# Allegro board pc065a_toplevel_61.brd (continued)
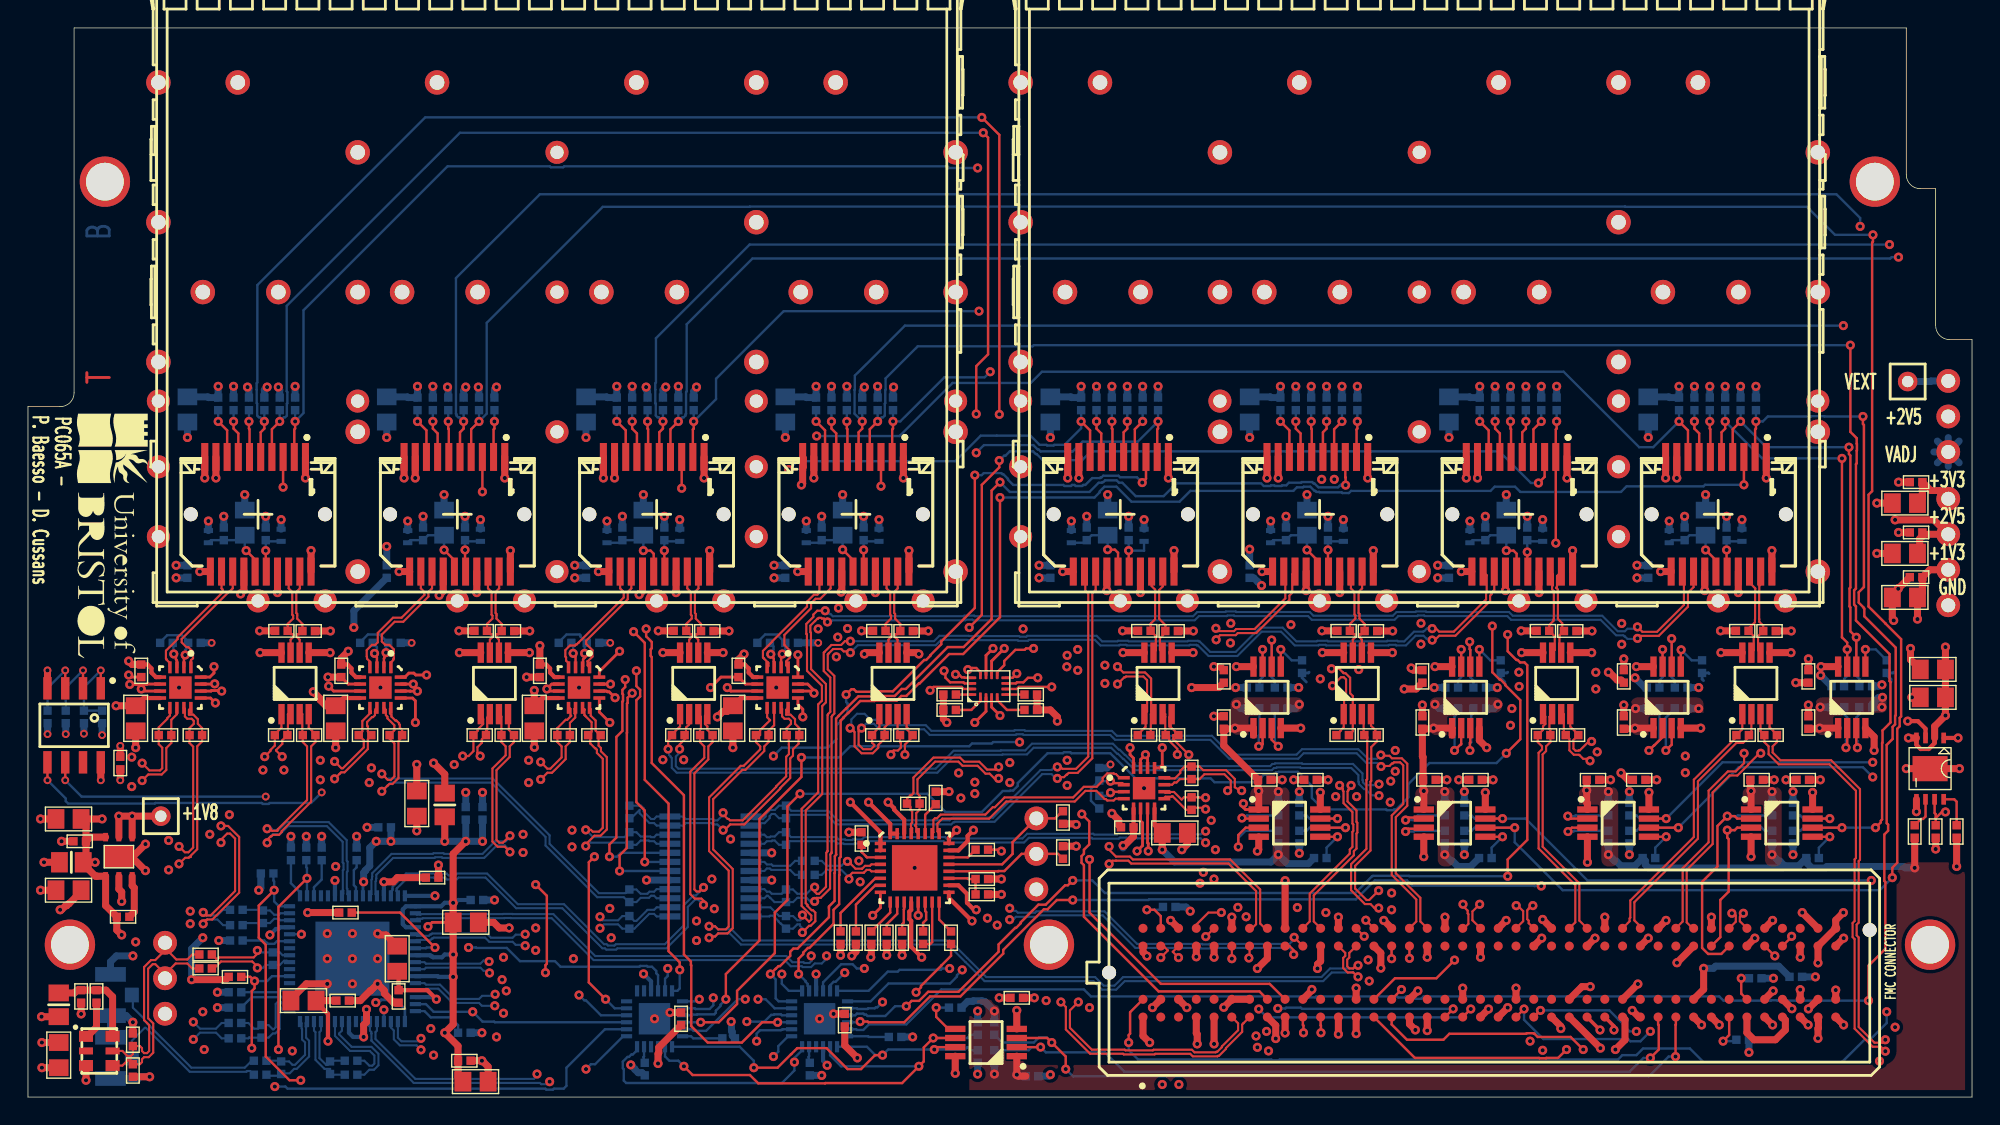
[diagram p0: board, top side]
## Routing (per net, layer and track width the routed paths; a pad name or vN(x,y) marks a point on that pad's centre or on a via; arc(x,y) is an arc through that point) (continued)
SFP_TX_DISABLE<4>: length 65.7
  TOP w0.17: v1(79.67,43.97) 79.94,44.24 J36.3 ; v1(67.7,44.5) 67.7,35 65.3,32.6 65.3,32.4 64.53,31.62 64.53,31.58 64.22,31.27 64.08,31.27 61.84,29.03 60.28,29.03 60.25,29 59.23,29 59.05,29.18 58.88,29.18 v1(58.5,28.8)
  L6_SIG w0.17: v1(52.2,7) 52.2,7.54 52.1,7.64 52.1,10.4 52.33,10.63 52.33,23.43 v1(53.3,24.4)
  BOTTOM w0.17: v1(67.7,44.5) 68.19,44.5 68.34,44.65 69.59,44.65 69.67,44.57 69.74,44.57 70.07,44.24 70.07,44.17 70.44,43.8 74.03,43.8 74.1,43.73 74.58,43.73 74.65,43.8 74.83,43.8 74.9,43.73 75.38,43.73 75.45,43.8 75.6,43.8 76.09,44.29 76.65,44.29 76.69,44.33 76.75,44.33 76.88,44.46 77.97,44.46 78.08,44.35 79.29,44.35 v1(79.67,43.97) ; v1(53.3,24.4) 53.9,25 57.2,25 57.8,25.6 57.8,26.58 58.3,27.08 58.3,27.15 58.6,27.45 58.6,28.16 58.5,28.26 v1(58.5,28.8) ; v1(52.2,7) 52.74,7 53.39,6.35 IC10.5
SFP_TX_DISABLE<5>: length 76.4
  TOP w0.17: v1(69.5,44) 68.9,43.4 68.9,34.2 66.9,32.2 65.77,32.2 62.77,29.2 62.47,29.2 61.97,28.7 60.41,28.7 60.38,28.67 59.37,28.67 58.51,27.81 58.5,27.81 57.97,27.28 57.97,27.27 57.78,27.08 57.78,17.33 57.69,17.24 57.69,16.04 57.67,16.02 57.67,14.04 57.27,13.64 57.27,13.54 57.27,12.87 55.02,10.62 54.73,10.62 54.5,10.4 54.5,10.1 53.77,9.37 53.66,9.37 53.47,9.18 53.46,9.18 v1(53.08,8.8) ; v1(94.21,43.79) 94.21,44.33 94.19,44.35 J32.3
  BOTTOM w0.17: v1(69.5,44) 70.2,43.3 75.9,43.3 76.56,43.96 76.78,43.96 76.83,44 76.89,44 77.02,44.13 77.84,44.13 78.01,43.96 78.24,43.96 79.2,43 81.2,43 82.11,43.91 88.17,43.91 88.35,43.73 88.83,43.73 88.87,43.77 89.11,43.77 89.15,43.73 89.63,43.73 89.67,43.77 89.97,43.77 90.16,43.96 91.03,43.96 91.08,44 91.82,44 91.92,43.91 91.98,43.91 92.26,43.63 93.67,43.63 93.79,43.74 93.82,43.74 93.92,43.84 94.16,43.84 94.21,43.79 v1(94.21,43.79) ; IC10.6 53.67,6.85 53.46,7.06 53.46,8.42 v1(53.08,8.8)
SFP_TX_DISABLE<6>: length 93.9
  TOP w0.17: J28.3 108.44,44.38 v1(108,43.94) ; v1(67.3,33.6) 68.2,34.5 68.2,43.81 69.45,45.05 v1(69.45,45.55)
  L3_SIG w0.17: v1(67.3,33.6) 66.7,34.2 59.27,34.2 v1(58.6,33.52)
  L6_SIG w0.17: v1(53.9,8.8) 53.9,12.6 55.3,14 55.3,20.2 56.3,21.2 56.3,28 56.77,28.47 56.77,32.01 57.12,32.36 57.12,32.38 57.12,32.38 57.12,32.92 57.33,33.12 57.33,33.15 57.66,33.48 57.68,33.48 57.72,33.52 v1(58.6,33.52)
  BOTTOM w0.17: v1(108,43.94) 107.46,43.94 105.2,46.2 76,46.2 75.37,45.57 72.56,45.57 72.12,46.01 72.06,46.01 71.87,46.2 70.2,46.2 69.89,45.89 69.79,45.89 v1(69.45,45.55) ; IC10.7 54.4,7.6 53.9,8.1 v1(53.9,8.8)
SFP_TX_DISABLE<7>: length 101.2
  TOP w0.17: J24.3 v1(122.69,43.81) ; v1(69.5,42.9) 69.5,34.33 66.87,31.7 65.86,31.7 63.76,29.6 63.7,29.6 62.8,28.7 62.44,28.7 62.11,28.37 60.55,28.37 60.52,28.34 59.51,28.34 58.65,27.48 58.63,27.48 58.3,27.15 58.3,27.13 58.11,26.94 58.11,17.19 58.02,17.1 58.02,15.91 58,15.88 58,13.8 57.6,13.4 57.6,12.4 55.87,10.67 55.76,10.67 55.43,10.34 55.43,10.23 55.1,9.9 v1(55.1,8.8)
  BOTTOM w0.17: v1(122.69,43.81) 119.91,43.81 119.8,43.7 114.3,43.7 113.9,43.3 106.7,43.3 106.33,43.67 104.87,43.67 104.57,43.37 94.6,43.37 94.45,43.22 93.98,43.22 93.97,43.23 93.96,43.23 93.92,43.27 92.36,43.27 92.33,43.3 92.13,43.3 92.05,43.37 91.99,43.37 91.69,43.67 91.21,43.67 91.17,43.63 90.73,43.63 90.47,43.37 83.11,43.37 82.34,42.6 78.9,42.6 77.83,43.67 76.96,43.67 76.63,43.34 76.63,43.28 76.25,42.9 v1(69.5,42.9) ; v1(55.1,8.8) 55.6,8.3 55.6,8.25 55.74,8.1 55.74,7.96 55.85,7.85 IC10.8
UNNAMED_1_CAPCERSMDCL2_I17_A: length 4.4
  TOP w0.17: v1(11.24,31.63) 11.15,31.54 IC4.2
  BOTTOM w0.17: v1(11.24,31.63) 11.24,32 11.45,32.2 C113.1 11.45,32.6 11.01,33.05 9.95,33.05 9.45,32.55 R59.1
UNNAMED_1_CAPCERSMDCL2_I17_A_1: length 4.4
  TOP w0.17: IC5.2 25.45,31.39 25.48,31.41 25.48,31.48 25.6,31.6 v1(25.6,31.8)
  BOTTOM w0.17: v1(25.6,31.8) 25.6,32.34 25.75,32.49 C114.1 25.15,33.1 24.3,33.1 23.75,32.55 R63.1
UNNAMED_1_CAPCERSMDCL2_I17_A_2: length 4.5
  TOP w0.17: IC6.2 39.65,30.8 39.69,30.84 39.69,31.32 39.8,31.43 v1(39.8,31.75)
  BOTTOM w0.17: R67.1 37.95,32.55 38.5,33.1 39.45,33.1 39.5,33.05 39.5,32.95 C115.1 39.8,32.35 v1(39.8,31.75)
UNNAMED_1_CAPCERSMDCL2_I17_A_3: length 4.5
  TOP w0.17: v1(53.93,31.7) 53.85,31.62 IC7.2
  BOTTOM w0.17: v1(53.93,31.7) 53.98,31.7 54.15,31.87 C116.1 53.7,32.95 53.7,33.05 53.65,33.1 52.7,33.1 52.15,32.55 R71.1
UNNAMED_1_CAPCERSMDCL2_I17_A_4: length 4.4
  TOP w0.17: IC13.2 78.24,22.46 77.54,22.46 v1(77.4,22.6)
  BOTTOM w0.17: R96.1 76.55,20.65 76,21.2 76,22.05 C117.1 76.65,22.6 v1(77.4,22.6)
UNNAMED_1_CAPCERSMDCL2_I31_B: length 5.7
  TOP w0.17: v1(15.6,39.1) 16.24,38.46 J7.15
  BOTTOM w0.17: v1(15.6,39.1) 15.5,39.2 C34.2 15.15,39.85 C35.2 13.09,39.85 L5.1
UNNAMED_1_CAPCERSMDCL2_I31_B_1: length 5.7
  TOP w0.17: J12.15 30.49,38.41 v1(29.75,39.15)
  BOTTOM w0.17: v1(29.75,39.15) C43.2 28.6,40.2 C44.2 27.34,39.85 L7.1
UNNAMED_1_CAPCERSMDCL2_I31_B_2: length 6
  TOP w0.17: v1(44,39.1) 44.52,39.1 44.74,38.88 J16.15
  BOTTOM w0.17: L9.1 42.31,39.66 C49.2 43.65,39.85 C48.2 v1(44,39.1)
UNNAMED_1_CAPCERSMDCL2_I31_B_3: length 5.7
  TOP w0.17: v1(58.25,39.17) 58.99,38.43 J20.15
  BOTTOM w0.17: L11.1 56.56,39.66 C54.2 57.9,39.85 C53.2 v1(58.25,39.17)
UNNAMED_1_CAPCERSMDCL2_I31_B_4: length 5.7
  TOP w0.17: v1(119.95,39.15) 120.69,38.41 J24.15
  BOTTOM w0.17: v1(119.95,39.15) C62.2 118.8,40.2 C63.2 117.53,39.85 L13.1
UNNAMED_1_CAPCERSMDCL2_I31_B_5: length 6
  TOP w0.17: J28.15 106.44,38.88 106.22,39.1 v1(105.7,39.1)
  BOTTOM w0.17: v1(105.7,39.1) C67.2 104.55,40.2 C68.2 103.28,39.85 L15.1
UNNAMED_1_CAPCERSMDCL2_I31_B_6: length 5.7
  TOP w0.17: J32.15 92.19,38.41 v1(91.45,39.15)
  BOTTOM w0.17: L17.1 89.03,39.85 C73.2 90.3,40.2 C72.2 v1(91.45,39.15)
UNNAMED_1_CAPCERSMDCL2_I31_B_7: length 6
  TOP w0.17: J36.15 77.94,38.95 77.72,39.17 v1(77.2,39.17)
  BOTTOM w0.17: v1(77.2,39.17) C77.2 76.05,40.2 C78.2 75.52,39.66 L19.1
UNNAMED_1_CAPCERSMDCL2_I35_B: length 3.4
  TOP w0.17: v1(17,39.1) 17,37.64 J7.16
  BOTTOM w0.17: 18.1,39.77 17.09,39.77 C33.2 v1(17,39.1)
UNNAMED_1_CAPCERSMDCL2_I35_B_1: length 3.4
  TOP w0.17: v1(31.25,39.15) 31.25,37.64 J12.16
  BOTTOM w0.17: v1(31.25,39.15) C42.2 31.34,39.77 32.35,39.77
UNNAMED_1_CAPCERSMDCL2_I35_B_2: length 3.4
  TOP w0.17: v1(45.5,39.1) 45.5,37.64 J16.16
  BOTTOM w0.17: 46.6,39.77 45.59,39.77 C47.2 v1(45.5,39.1)
UNNAMED_1_CAPCERSMDCL2_I35_B_3: length 3.4
  TOP w0.17: J20.16 59.75,37.64 v1(59.75,39.15)
  BOTTOM w0.17: 60.85,39.77 59.84,39.77 C52.2 v1(59.75,39.15)
UNNAMED_1_CAPCERSMDCL2_I35_B_4: length 3.4
  TOP w0.17: v1(121.45,39.15) 121.45,37.64 J24.16
  BOTTOM w0.17: 122.55,39.77 121.53,39.77 C61.2 v1(121.45,39.15)
UNNAMED_1_CAPCERSMDCL2_I35_B_5: length 3.4
  TOP w0.17: J28.16 107.2,37.64 v1(107.2,39)
  BOTTOM w0.17: 108.3,39.77 107.28,39.77 C66.2 v1(107.2,39)
UNNAMED_1_CAPCERSMDCL2_I35_B_6: length 3.4
  TOP w0.17: v1(92.95,39.15) 92.95,37.64 J32.16
  BOTTOM w0.17: 94.05,39.77 93.03,39.77 C71.2 v1(92.95,39.15)
UNNAMED_1_CAPCERSMDCL2_I35_B_7: length 4.1
  TOP w0.17: J36.16 78.7,37.64 v1(78.7,39.1)
  BOTTOM w0.17: 79.8,39.77 79.8,39.08 79.78,39.1 v1(78.7,39.1) C76.2
UNNAMED_1_CON20PSFP_I19_RATES_1: length 3.5
  TOP w0.17: J12.7 29.29,47.49 28.95,47.83 v1(28.95,48.35)
  BOTTOM w0.17: R41.1 v1(28.95,48.35)
UNNAMED_1_CON20PSFP_I19_RATES_2: length 3.5
  TOP w0.17: J16.7 43.54,47.49 43.2,47.83 v1(43.2,48.35)
  BOTTOM w0.17: R49.1 v1(43.2,48.35)
UNNAMED_1_CON20PSFP_I19_RATES_3: length 3.5
  TOP w0.17: J20.7 57.79,47.49 57.45,47.83 v1(57.45,48.35)
  BOTTOM w0.17: R57.1 v1(57.45,48.35)
UNNAMED_1_CON20PSFP_I19_RATES_4: length 3.5
  TOP w0.17: v1(119.15,48.35) 119.15,47.83 119.49,47.49 J24.7
  BOTTOM w0.17: R106.1 v1(119.15,48.35)
UNNAMED_1_CON20PSFP_I19_RATES_5: length 3.5
  TOP w0.17: v1(104.9,48.35) 104.9,47.83 105.24,47.49 J28.7
  BOTTOM w0.17: R114.1 v1(104.9,48.35)
UNNAMED_1_CON20PSFP_I19_RATES_6: length 3.5
  TOP w0.17: J32.7 90.99,47.49 90.65,47.83 v1(90.65,48.35)
  BOTTOM w0.17: R122.1 v1(90.65,48.35)
UNNAMED_1_CON20PSFP_I19_RATES_7: length 3.5
  TOP w0.17: v1(76.4,48.35) 76.4,47.83 76.74,47.49 J36.7
  BOTTOM w0.17: R130.1 v1(76.4,48.35)
UNNAMED_1_CON20PSFP_I19_RATESEL: length 3.5
  TOP w0.17: J7.7 15.04,47.49 14.7,47.83 v1(14.7,48.35)
  BOTTOM w0.17: R29.1 v1(14.7,48.35)
UNNAMED_1_RSMD0402_I7_B: length 3.3
  TOP w0.17: IC11.5 65.8,4.88 64.94,5.74 v1(64.94,6.4)
  BOTTOM w0.17: R133.2 v1(64.94,6.4)
UNNAMED_1_RSMD0402_I7_B_1: length 3.1
  TOP w0.17: IC12.5 v1(93.63,18.62)
  BOTTOM w0.17: v1(93.63,18.62) 92.85,17.85 R138.2
UNNAMED_1_RSMD0402_I7_B_2: length 3.1
  TOP w0.17: IC14.5 v1(105.43,18.62)
  BOTTOM w0.17: R143.2 104.65,17.85 v1(105.43,18.62)
UNNAMED_1_RSMD0402_I7_B_3: length 3.1
  TOP w0.17: IC15.5 v1(117.13,18.62)
  BOTTOM w0.17: R148.2 116.35,17.85 v1(117.13,18.62)
UNNAMED_1_RSMD0402_I7_B_4: length 3.1
  TOP w0.17: IC16.5 v1(128.83,18.62)
  BOTTOM w0.17: R153.2 128.05,17.85 v1(128.83,18.62)
UNNAMED_1_RSMD0402_I7_B_5: length 3.1
  TOP w0.17: 89.58,30.8 v1(89.58,32.03)
  BOTTOM w0.17: v1(89.58,32.03) 90.35,31.25 R158.2
UNNAMED_1_RSMD0402_I7_B_6: length 3.1
  TOP w0.17: 103.78,30.8 v1(103.78,32.03)
  BOTTOM w0.17: v1(103.78,32.03) 104.55,31.25 R163.2
UNNAMED_1_RSMD0402_I7_B_7: length 3
  TOP w0.17: v1(118.2,32) 118.17,31.98 IC19.5
  BOTTOM w0.17: v1(118.2,32) 118.95,31.25 R168.2
UNNAMED_1_RSMD0402_I7_B_8: length 3.1
  TOP w0.17: IC20.5 v1(131.38,32.03)
  BOTTOM w0.17: R173.2 132.12,32.03 v1(131.38,32.03)
UNNAMED_1_RSMD0402_I10_B: length 1.9
  TOP w0.17: IC4.3 10.65,31.24 10.58,31.31 10.58,31.45 10.5,31.53 10.5,31.63 v1(10.43,31.71)
  BOTTOM w0.17: v1(10.43,31.71) 10.43,31.77 10.4,31.8 10.4,32.45 R59.2
UNNAMED_1_RSMD0402_I10_B_1: length 2
  TOP w0.17: IC5.3 24.95,31.45 24.8,31.6 24.8,31.73 v1(24.78,31.75)
  BOTTOM w0.17: v1(24.78,31.75) 24.8,31.77 24.8,31.8 24.95,31.95 24.95,32.2 R63.2
UNNAMED_1_RSMD0402_I10_B_2: length 1.9
  TOP w0.17: IC6.3 39.15,31.55 39,31.7 39,31.73 v1(38.98,31.75)
  BOTTOM w0.17: R67.2 38.98,32.37 v1(38.98,31.75)
UNNAMED_1_RSMD0402_I10_B_3: length 2
  TOP w0.17: IC7.3 53.35,31.16 53.33,31.19 53.33,31.38 53.2,31.5 53.2,31.6 v1(53.11,31.69)
  BOTTOM w0.17: R71.2 53.3,32.25 53.3,32 53.2,31.9 53.2,31.78 v1(53.11,31.69)
UNNAMED_1_RSMD0402_I10_B_4: length 1.9
  TOP w0.17: v1(77.4,21.78) 77.46,21.84 78.34,21.84 IC13.3
  BOTTOM w0.17: v1(77.4,21.78) 77.34,21.78 77.11,21.55 R96.2
UNNAMED_4_FMCLPCGENERIC_I1_GA0: length 2.9
  TOP w0.17: 121.64,5.73 121.64,4.44 v1(121.2,4)
  BOTTOM w0.17: R184.2 122.05,4 v1(121.2,4)
UNNAMED_4_FMCLPCGENERIC_I1_GA1: length 2.2
  TOP w0.17: v1(122.5,8.5) 122.5,7.4 122.91,7
  BOTTOM w0.17: R185.2 v1(122.5,8.5)
UNNAMED_5_24AA025E48_I9_A0: length 6
  TOP w0.17: IC1.1 v2(5.21,30.53)
  BOTTOM w0.17: R201.1 R202.1 4,29.33 v2(5.21,30.53)
UNNAMED_5_24AA025E48_I9_A1: length 4.7
  TOP w0.17: 3.94,29.25 v2(3.94,30.53)
  BOTTOM w0.17: R204.1 2.7,29.3 v2(3.94,30.53)
UNNAMED_5_24AA025E48_I9_A2: length 4.7
  TOP w0.17: IC1.3 v2(2.67,30.53)
  BOTTOM w0.17: v2(2.67,30.53) 1.4,29.27 R203.1
UNNAMED_7_CAPCERSMDCL2_I28_B: length 2.7
  TOP w0.17: C101.2 137.9,21.13 137.73,21.3 U11.8
UNNAMED_7_CON3P_I14_A: length 2.9
  BOTTOM w0.5: TP10.1 136.03,51.2 136.07,51.24 J39.1
UNNAMED_7_MP20075REG_I17_REF: length 2.3
  TOP w0.17: U11.6 135.68,20.08 135.5,19.9 135.35,19.9 R183.2
UNNAMED_8_DSC1123CI5_I74_EN: length 2.8
  TOP w0.5: QZ1.1 4.25,4.35 4.9,5 R3.2
UNNAMED_8_LP38692SD_I104_EN: length 3.1
  TOP w0.5: U2.3 7.45,15.12 7.6,14.97 7.6,13.25 R2.2
UNNAMED_8_RSMD0402_I25_B: length 3.8
  BOTTOM w0.17: IC3.3 16,7.15 R20.2
UNNAMED_8_RSMD0402_I26_B: length 3.5
  BOTTOM w0.17: IC3.4 18.09,7.65 17.94,7.5 R21.2
UNNAMED_8_RSMD0402_I28_B: length 4
  BOTTOM w0.17: R18.2 30.75,5.15 30.2,5.7 28.8,5.7 28.35,6.15 IC3.48
UNNAMED_8_RSMD0402_I29_B: length 2.7
  BOTTOM w0.17: R19.2 23.5,16.44 23.3,16.24 23.3,15.16 23.45,15.01 IC3.25
UNNAMED_8_RSMD0402_I30_B: length 8.4
  TOP w0.17: v1(29.1,10.7) 26.6,13.2 R6.2
  BOTTOM w0.17: IC3.39 28.46,10.65 28.51,10.7 v1(29.1,10.7)
UNNAMED_8_RSMD0402_I66_B: length 3.5
  BOTTOM w0.17: R10.2 16.89,11.2 17.06,11.03 17.09,11.03 17.16,10.96 17.61,10.96 17.8,11.15 IC3.11
UNNAMED_8_RSMD0402_I67_B: length 2.8
  BOTTOM w0.17: R11.2 18.8,15.3 19.45,14.65 IC3.17
UNNAMED_8_RSMD0402_I68_B: length 2.8
  BOTTOM w0.17: R12.2 21,15.56 20.45,15.01 IC3.19
UNNAMED_10_ADN2814_I34_CF1: length 3.6
  TOP w0.17: IC9.15 64.65,11.09 64.51,10.95 C58.1
UNNAMED_10_ADN2814_I34_CF2: length 2.2
  TOP w0.17: C58.2 64,12.46 64.22,12.68 64.22,13.24 64.15,13.31 IC9.14
UNNAMED_10_ADN2814_I34_LOL: length 2.5
  TOP w0.17: IC9.16 65.15,12.7 R91.1
UNNAMED_10_ADN2814_I34_LOS: length 2.1
  TOP w0.17: R89.2 67.2,17.15 IC9.22
UNNAMED_10_ADN2814_I34_REFCLKN: length 2.2
  TOP w0.17: R85.2 62.5,12.36 62.62,12.48 62.62,13.43 62.65,13.46 IC9.11
UNNAMED_10_ADN2814_I34_REFCLKP: length 2.4
  TOP w0.17: R84.2 61.4,12.36 62.15,13.11 IC9.10
UNNAMED_10_ADN2814_I34_SADDRS: length 3
  TOP w0.17: IC9.19 67.19,15.65 67.24,15.6 R82.2 R83.2
UNNAMED_10_ADN2814_I34_SLICEN: length 4.2
  TOP w0.17: R87.2 59.2,13.77 60.58,15.15 IC9.7
UNNAMED_10_ADN2814_I34_SLICEP: length 5.2
  TOP w0.17: R86.2 58.1,13.17 60.58,15.65 IC9.6
UNNAMED_10_ADN2814_I34_SQUELCH: length 2.4
  TOP w0.17: R90.1 64.15,20.2 IC9.27
UNNAMED_10_ADN2814_I34_THRADJ: length 2.7
  TOP w0.17: IC9.9 61.65,13.2 R88.2
UNNAMED_10_ADN2814_I34_VREF: length 2
  TOP w0.17: IC9.3 59.99,17.15 59.92,17.21 59.92,17.22 59.62,17.52 59.61,17.52 59.6,17.54 C57.1
UNNAMED_13_74AVC4T245BRIS_I75_1: length 2.4
  TOP w0.17: IC21.4 69.3,28.4 70,27.7 R176.1
UNNAMED_13_74AVC4T245BRIS_I75_2: length 2.3
  TOP w0.17: R177.2 67.45,27.7 68.1,28.35 IC21.1
UNNAMED_13_74AVC4T245BRIS_I76_1: length 1.1
  TOP w0.17: IC21.16 R179.2
UNNAMED_13_74AVC4T245BRIS_I76_2: length 1.3
  TOP w0.17: IC21.5 R178.1
UNNAMED_13_RSMD0402_I6_B: length 3
  BOTTOM w0.17: IC10.18 60.07,4.35 60.12,4.3 R31.2
UNNAMED_13_RSMD0402_I8_B: length 1.2
  BOTTOM w0.17: IC10.23 55.85,2.91 55.8,2.86 R32.2
UNNAMED_13_RSMD0402_I45_B: length 2.9
  BOTTOM w0.17: R180.2 47.56,4.2 47.41,4.35 IC23.18
UNNAMED_13_RSMD0402_I46_B: length 1.2
  BOTTOM w0.17: IC23.23 44.05,2.91 44,2.86 R181.2
VADJ: length 11.8
  TOP w0.5: v1(129.8,13.2) 129.25,12.66 129.25,12.08 J10.G39 v1(127.98,9.6)
  BOTTOM w0.5: 136.52,45.38 J39.3 ; J39.3 138.08,46.94 ; J39.3 137.3,45.13 ; J39.3 138.08,45.38 ; J39.3 136.27,46.16 ; J39.3 137.3,47.19 ; J39.3 136.52,46.94
XA: length 6.3
  TOP w0.15: C29.1 13.3,9.2 13.8,9.7 16.03,9.7 16.4,9.33 v1(16.4,9.24)
  BOTTOM w0.15: IC3.8 18.62,9.65 18.52,9.76 18.31,9.76 18,9.45 R17.1 17,9.45 16.79,9.24 v1(16.4,9.24)
XB: length 6.2
  TOP w0.15: C30.1 13.45,9.9 13.59,9.9 13.68,9.99 16.14,9.99 16.4,10.25 v1(16.4,10.49)
  BOTTOM w0.15: IC3.9 18.2,10.15 18,10.35 R17.2 16.54,10.35 v1(16.4,10.49)

## Copper pours and planes (outline as drawn; the poured copper is in the pictures)
GND on L2_GND, L4_GND: 0.5,0.5 138.5,0.5 138.5,53.7 137.4,53.7 136.34,54.14 135.9,55.2 135.9,64.5 135.3,64.5 134.24,64.94 133.8,66 133.8,76 3.8,76 3.8,50.4 3.36,49.34 2.3,48.9 0.5,48.9
P1V3 on L5_PWR: 0.5,0.5 138.5,0.5 138.5,53.7 137.4,53.7 136.34,54.14 135.9,55.2 135.9,64.5 135.3,64.5 134.24,64.94 133.8,66 133.8,76 3.8,76 3.8,50.4 3.36,49.34 2.3,48.9 0.5,48.9
P2V5 on TOP: 68.3,7 67.59,6.71 67.3,6 67.3,0.5 138.5,0.5 138.5,15.8 138.21,16.51 137.5,16.8 134.6,16.8 133.89,16.51 133.6,15.8 133.6,3.3 133.31,2.59 132.6,2.3 71.6,2.3 71.25,2.45 71.1,2.8 71.1,3.2 70.5,3.2 69.79,3.49 69.5,4.2 69.5,6 69.21,6.71 68.5,7
P2V5 on TOP: 105.4,28.1 105.25,28.45 104.9,28.6 100.7,28.6 100.35,28.45 100.2,28.1 100.2,26.4 100.35,26.05 100.7,25.9 101.6,25.9 101.95,26.05 102.1,26.4 102.1,27 102.25,27.35 102.6,27.5 104.9,27.5 105.25,27.65 105.4,28
P2V5 on TOP: 124.9,16.5 125.25,16.65 125.4,17 125.4,21.7 125.25,22.05 124.9,22.2 123.1,22.2 122.75,22.05 122.6,21.7 122.6,20.8 122.75,20.45 123.1,20.3 123.7,20.3 124.05,20.15 124.2,19.8 124.2,17 124.35,16.65 124.7,16.5
P2V5 on TOP: 89.7,16.5 90.05,16.65 90.2,17 90.2,21.7 90.05,22.05 89.7,22.2 87.9,22.2 87.55,22.05 87.4,21.7 87.4,20.8 87.55,20.45 87.9,20.3 88.5,20.3 88.85,20.15 89,19.8 89,17 89.15,16.65 89.5,16.5
P2V5 on TOP: 91.2,28.1 91.05,28.45 90.7,28.6 86.48,28.6 86.13,28.45 85.98,28.1 85.98,26.42 86.13,26.07 86.48,25.92 87.38,25.92 87.74,26.07 87.88,26.42 87.88,27.02 88.03,27.38 88.38,27.52 90.7,27.52 91.05,27.67 91.2,28.02
P2V5 on TOP: 101.5,16.5 101.85,16.65 102,17 102,21.7 101.85,22.05 101.5,22.2 99.7,22.2 99.35,22.05 99.2,21.7 99.2,20.8 99.35,20.45 99.7,20.3 100.3,20.3 100.65,20.15 100.8,19.8 100.8,17 100.95,16.65 101.3,16.5
P2V5 on TOP: 113.2,16.5 113.55,16.65 113.7,17 113.7,21.7 113.55,22.05 113.2,22.2 111.4,22.2 111.05,22.05 110.9,21.7 110.9,20.8 111.05,20.45 111.4,20.3 112,20.3 112.35,20.15 112.5,19.8 112.5,17 112.65,16.65 113,16.5
P2V5 on BOTTOM: 47.8,31.9 48.09,32.61 48.8,32.9 56.7,32.9 57.05,32.75 57.2,32.4 57.2,31.7 57.35,31.35 57.7,31.2 85,31.2 85.71,30.91 86.15,29.85 86.5,29.7 90.6,29.7 90.6,30.8 91.7,30.8 91.7,30.2 91.85,29.85 92.2,29.7 104.8,29.7 104.8,30.8 105.9,30.8 105.9,30.2 106.05,29.85 106.4,29.7 119.2,29.7 119.2,30.8 120.3,30.8 120.3,30.2 120.45,29.85 120.8,29.7 132.4,29.7 132.4,30.8 133.5,30.8 133.5,28.5 133.21,27.79 132.5,27.5 70.7,27.5 70.35,27.35 70.17,26.93 70.1,26.9 69,26.9 68.93,26.93 68.75,27.35 68.4,27.5 57.7,27.5 56.99,27.21 56.7,26.5 56.7,26.4 56.41,25.69 55.7,25.4 6.5,25.4 5.79,25.69 5.5,26.4 5.5,31.9 5.79,32.61 6.5,32.9 13.4,32.9 14.11,32.61 14.4,31.9 14.4,27.4 14.69,26.69 15.4,26.4 18.8,26.4 19.51,26.69 19.8,27.4 19.8,31.9 20.09,32.61 20.8,32.9 27.7,32.9 28.41,32.61 28.7,31.9 28.7,27.4 28.99,26.69 29.7,26.4 33,26.4 33.71,26.69 34,27.4 34,31.9 34.29,32.61 35,32.9 41.9,32.9 42.61,32.61 42.9,31.9 42.9,27.4 43.19,26.69 43.9,26.4 46.8,26.4 47.51,26.69 47.8,27.4
P2V5 on L5_PWR: 76.9,25.4 81.8,25.4 81.8,17.2 78.4,17.2 76.9,18.7
P3V3 on L7_PWR: 0.5,0.5 138.5,0.5 138.5,53.7 137.4,53.7 136.34,54.14 135.9,55.2 135.9,64.5 135.3,64.5 134.24,64.94 133.8,66 133.8,76 3.8,76 3.8,50.4 3.36,49.34 2.3,48.9 0.5,48.9
P3V3A on L7_PWR: 4.9,20.3 4.55,20.15 4.4,19.8 4.4,13.9 5.28,11.78 7.4,10.9 19.5,10.9 20.21,11.19 20.5,11.9 20.5,18.3 20.21,19.01 19.5,19.3 16.6,19.3 15.89,19.01 15.6,18.3 15.6,17.3 15.31,16.59 14.6,16.3 7,16.3 6.29,16.59 6,17.3 6,19.8 5.85,20.15 5.5,20.3
P3V3B on L7_PWR: 22.4,15.9 22.4,14.4 22.55,14.05 22.9,13.9 23.2,13.9 23.55,14.05 23.7,14.4 23.7,15.9 24.3,15.9 24.3,14.2 24.39,13.99 24.6,13.9 24.9,13.9 25.11,13.99 25.2,14.2 25.2,15.9 25.8,15.9 25.8,15.1 25.7,15.1 25.7,14.1 25.76,13.96 26.11,13.81 26.2,13.6 26.2,6.4 26.05,6.05 25.7,5.9 24.3,5.9 23.95,6.05 23.8,6.4 23.8,6.9 23.95,7.25 24.3,7.4 24.5,7.4 25.21,7.69 25.5,8.4 25.5,11.7 25.21,12.41 24.5,12.7 22.6,12.7 21.89,12.99 21.6,13.7 21.6,15.9
P1V8A on L5_PWR: 29.8,14.1 29.51,14.81 28.8,15.1 28.6,15.1 27.89,14.81 27.6,14.1 27.6,6 27.31,5.29 26.6,5 20.7,5 20.35,4.85 20.2,4.5 20.2,3.5 20.05,3.15 19.7,3 7,3 6.29,3.29 6,4 6,17.9 6.29,18.61 7,18.9 10.2,18.9 10.91,19.19 11.2,19.9 11.2,20.5 10.91,21.21 10.2,21.5 6,21.5 4.02,20.68 3.2,18.7 3.2,0.5 29.8,0.5
P2V5 on TOP: 133,28.6 128.3,28.6 127.95,28.45 127.8,28.1 127.8,26.4 127.95,26.05 128.3,25.9 129.2,25.9 129.55,26.05 129.7,26.4 129.7,27 129.85,27.35 130.2,27.5 132.5,27.5 132.85,27.65 133,28
P2V5 on TOP: 119.8,28.1 119.65,28.45 119.3,28.6 115.1,28.6 114.75,28.45 114.6,28.1 114.6,26.4 114.75,26.05 115.1,25.9 116,25.9 116.35,26.05 116.5,26.4 116.5,27 116.65,27.35 117,27.5 119.8,27.5
P2V5 on L5_PWR: 138.5,47.4 138.5,50 134.6,50 132.48,49.12 131.6,47 131.6,17.2 131.89,16.49 132.6,16.2 134.3,16.2 135.01,16.49 135.3,17.2 135.3,22 135.15,22.35 134.8,22.5 134.4,22.5 134.05,22.65 133.9,23 133.9,39.1 134.05,39.45 134.4,39.6 134.8,39.6 135.15,39.75 135.3,40.1 135.3,46.4 135.59,47.11 136.3,47.4
VADJ on BOTTOM: 127.4,9.7 127.55,9.35 127.9,9.2 138.5,9.2 138.5,47.5 135.1,47.5 134.39,47.21 134.1,46.5 134.1,15.1 133.81,14.39 133.1,14.1 128.4,14.1 127.69,13.81 127.4,13.1

## Text on the board
BOTTOM: B
Ref Des/Silkscreen Bottom: GND | OSC_CLK | +1V8 | SDA | SCL | VEXT | VADJ | +2V5 | +3V3 | +1V3 | CLK_IN0 | P. Baesso - D. Cussans | PC065A - | I2C BUS | POWER P2V5 RAIL | PLACE JUMPER TO | 0 | 1 | 2 | 3 | 4 | 5 | 6 | 7 | - | +
User.Comments: PIN A1 REF. | SECOND CONNECTOR | (OPTIONAL) | PRIMARY CONNECTOR
TOP: T
Ref Des/Silkscreen Top: FMC CONNECTOR | +1V8 | VEXT | +2V5 | VADJ | +3V3 | +1V3 | GND | P. Baesso - D. Cussans | PC065A -
L2_GND: 2
L3_SIG: 3
L4_GND: 4
L5_PWR: 5
L6_SIG: 6
L7_PWR: 7
DIMENSION: INPUT 1
